# Altium PCB PCB_Layout_1.PcbDoc (part 1 of 3) (continued)
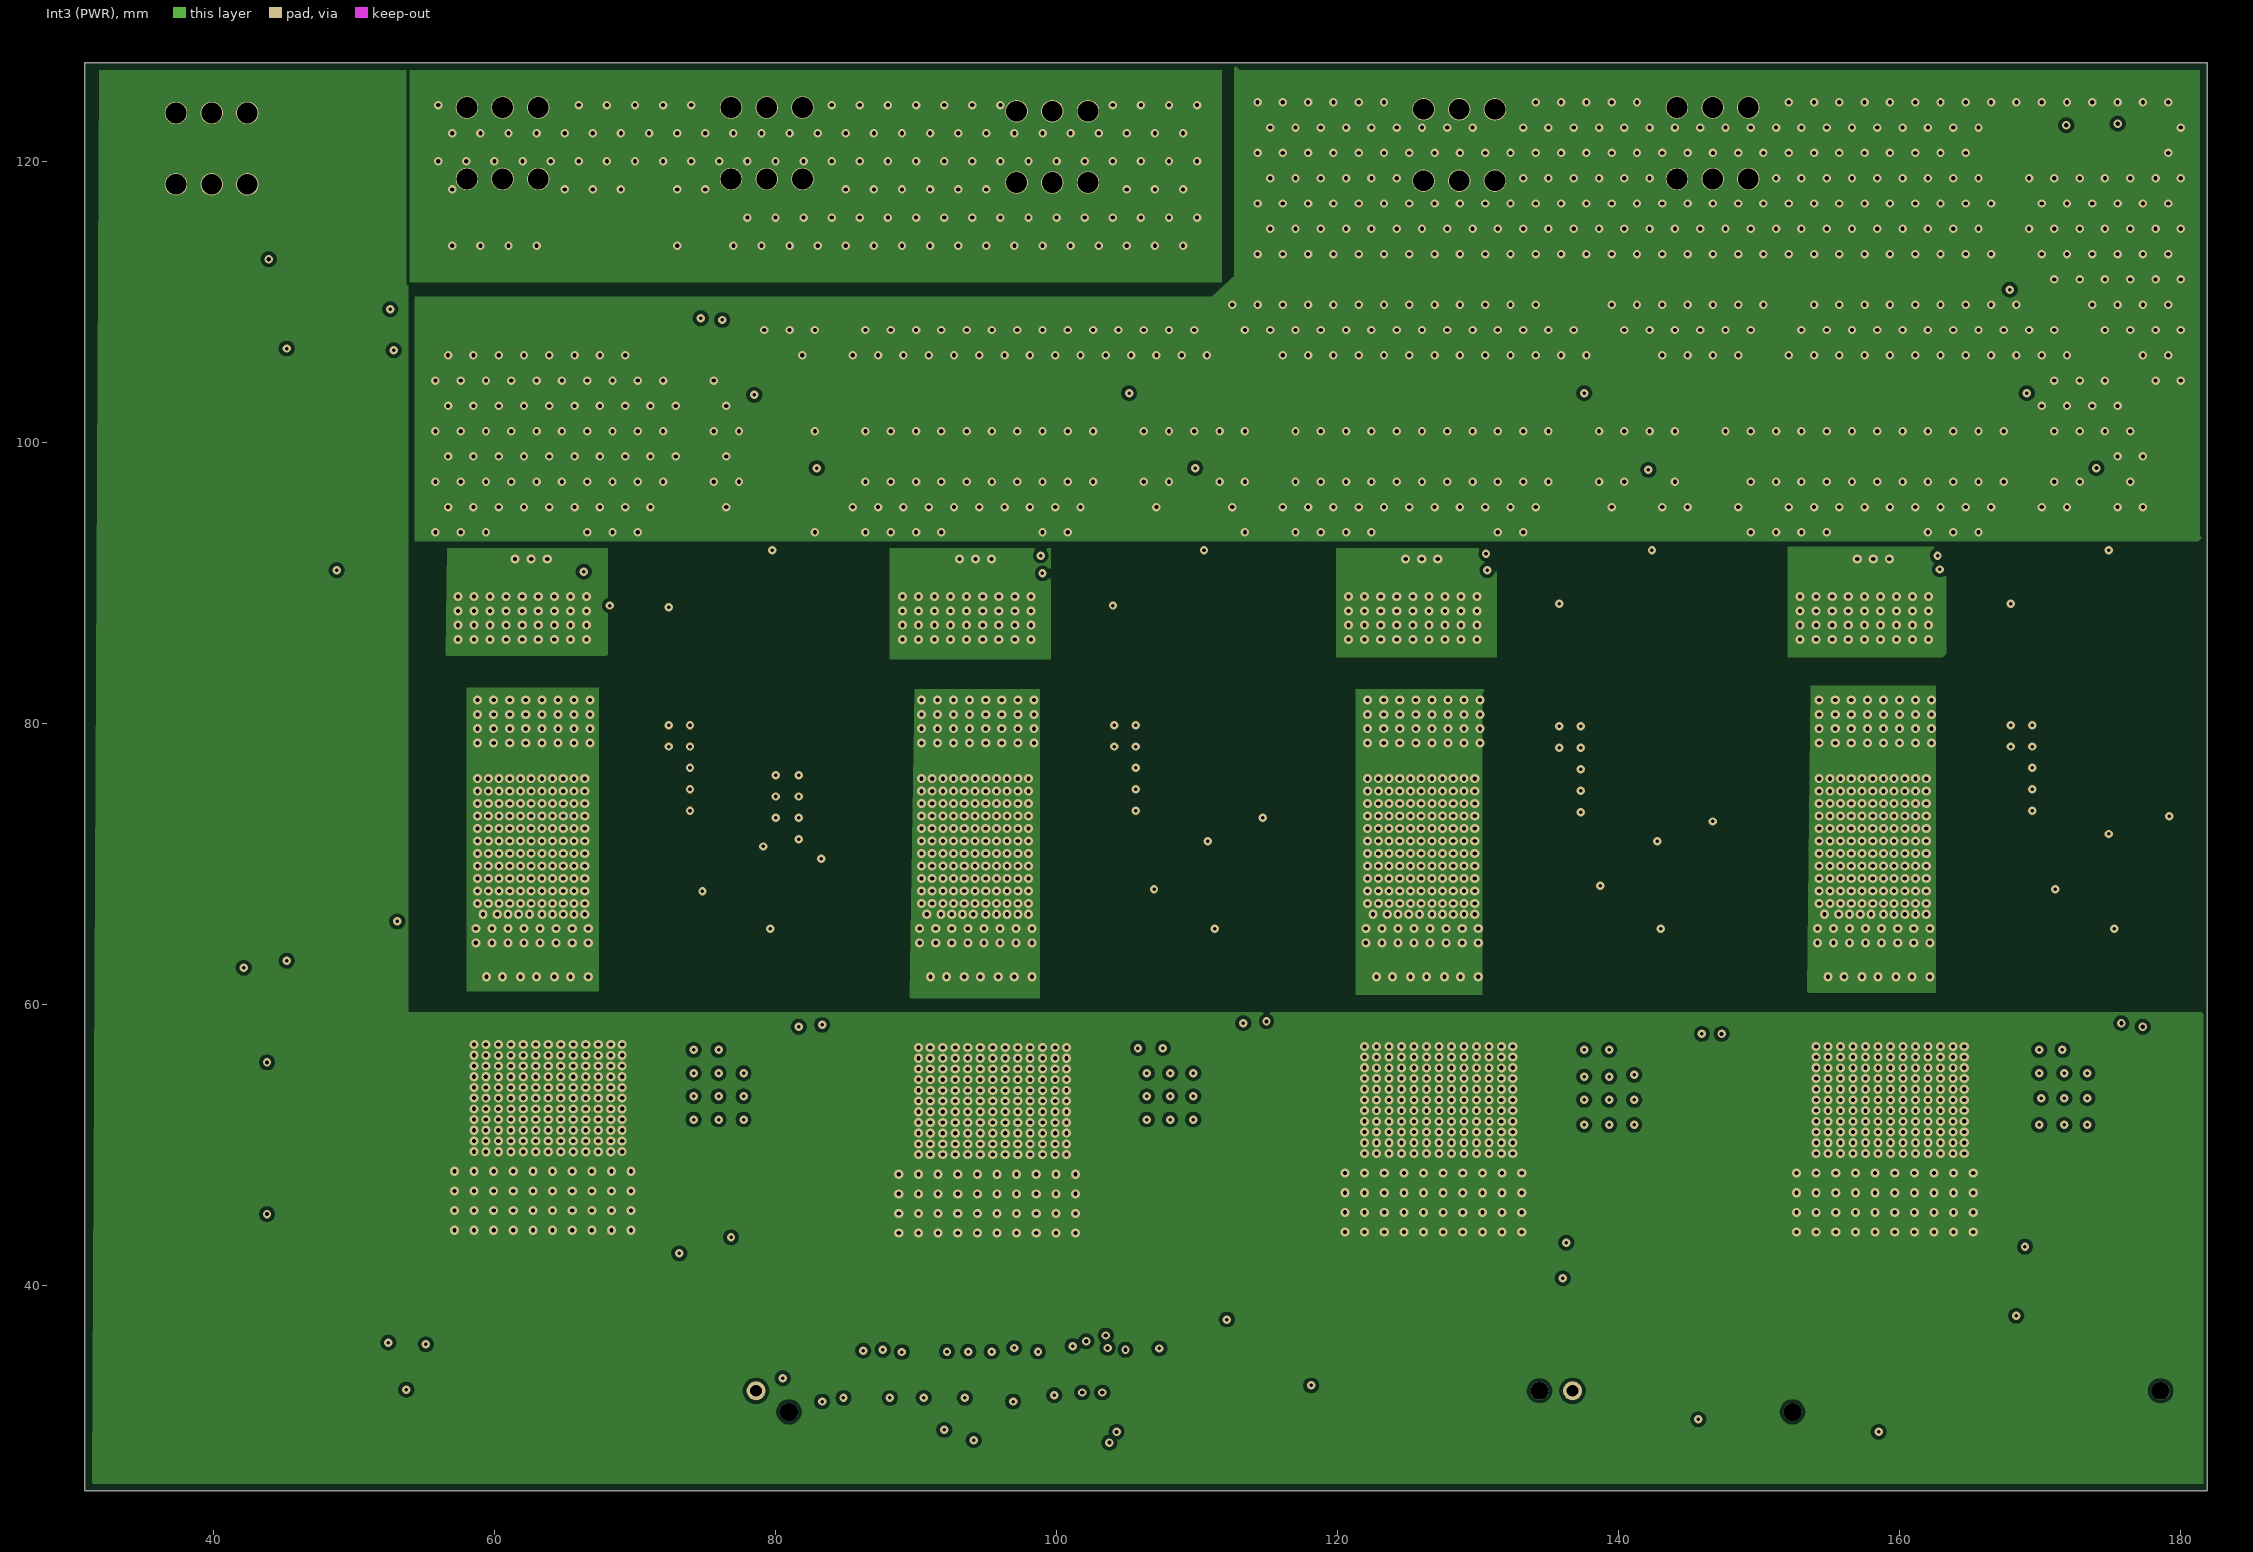
[diagram p4: Int3 (PWR)]
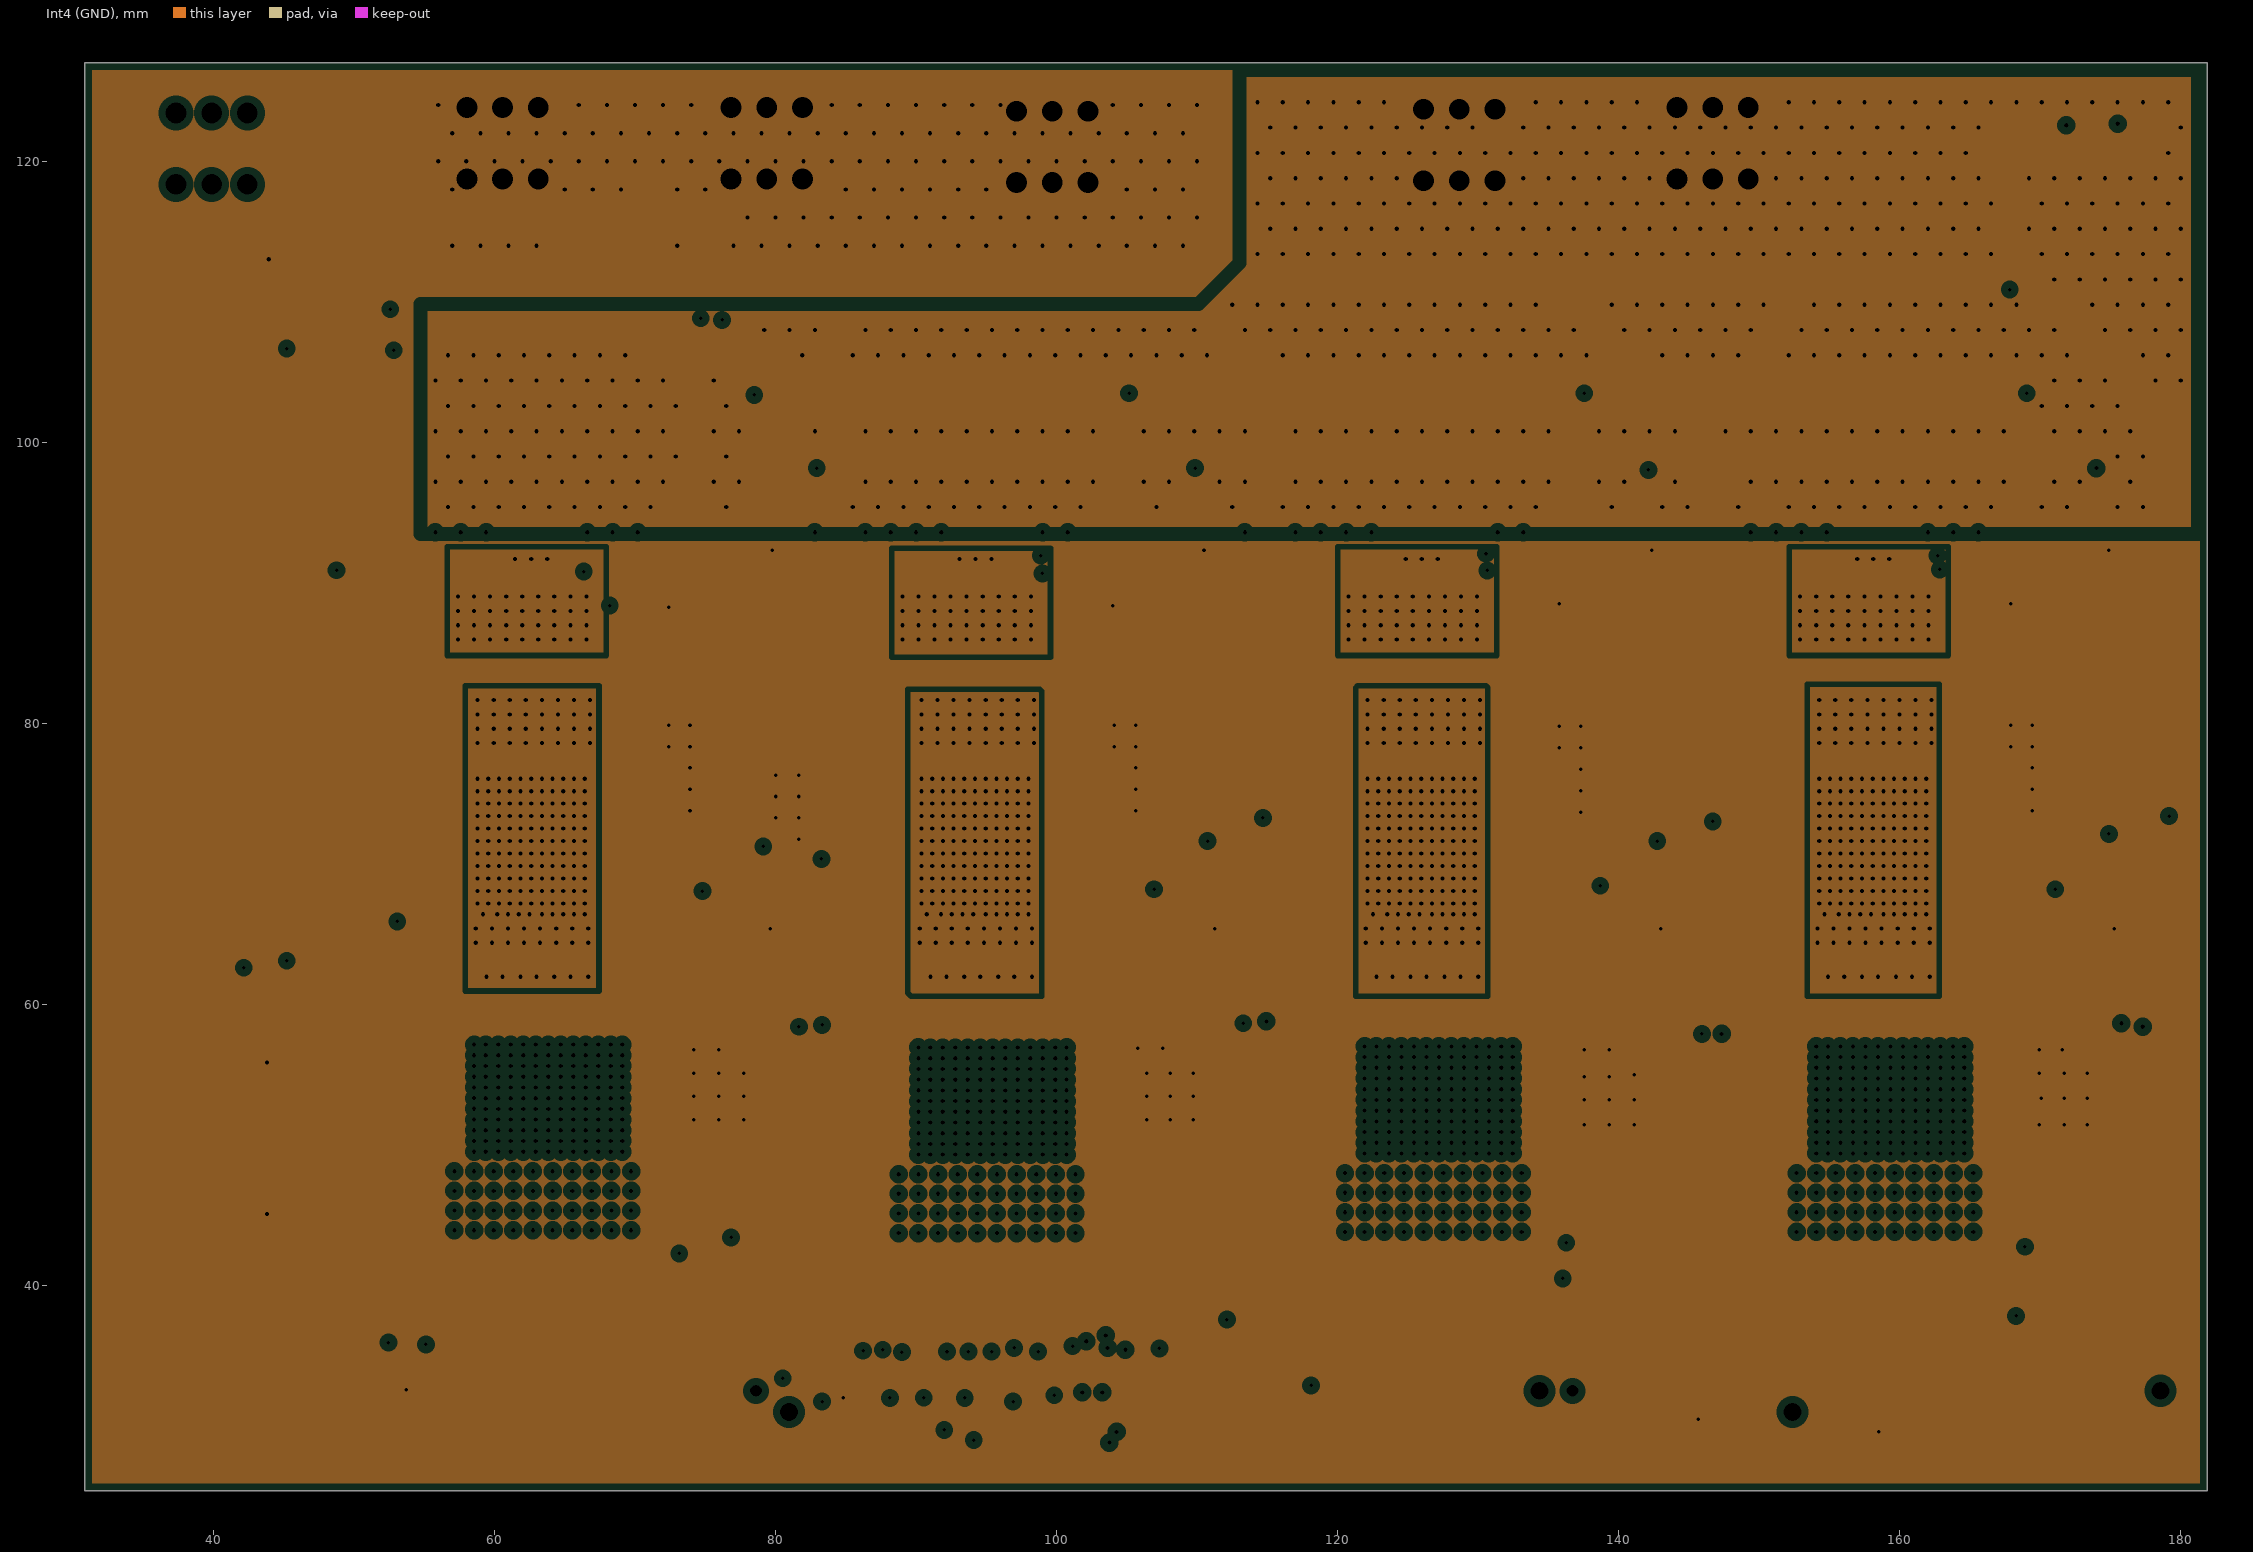
[diagram p5: Int4 (GND), clearances drawn from the general rule]
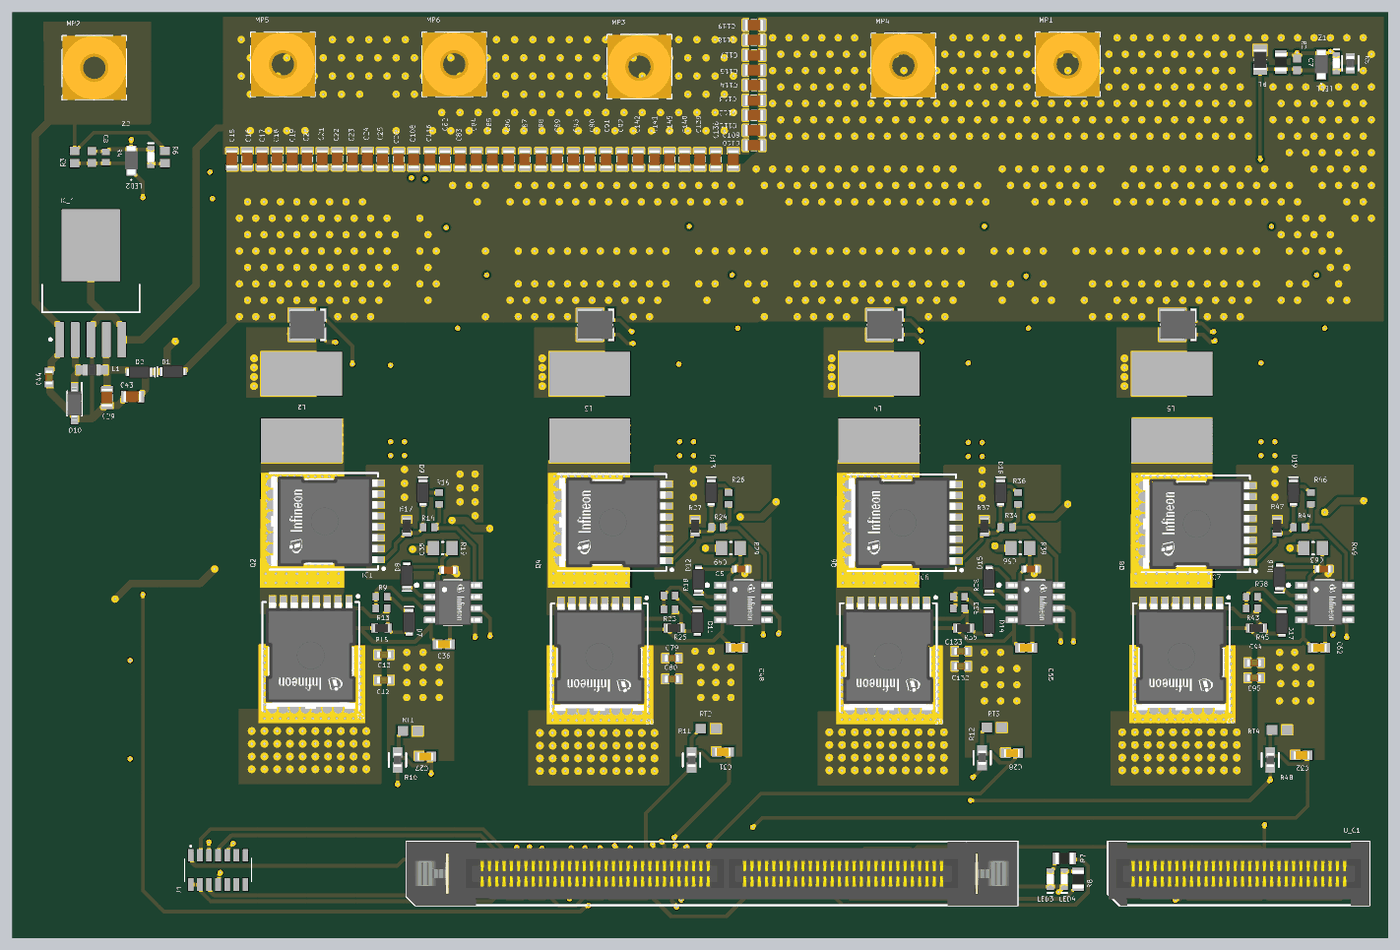
[diagram p8: 3D render of the assembled board from above, using the file's embedded part models]
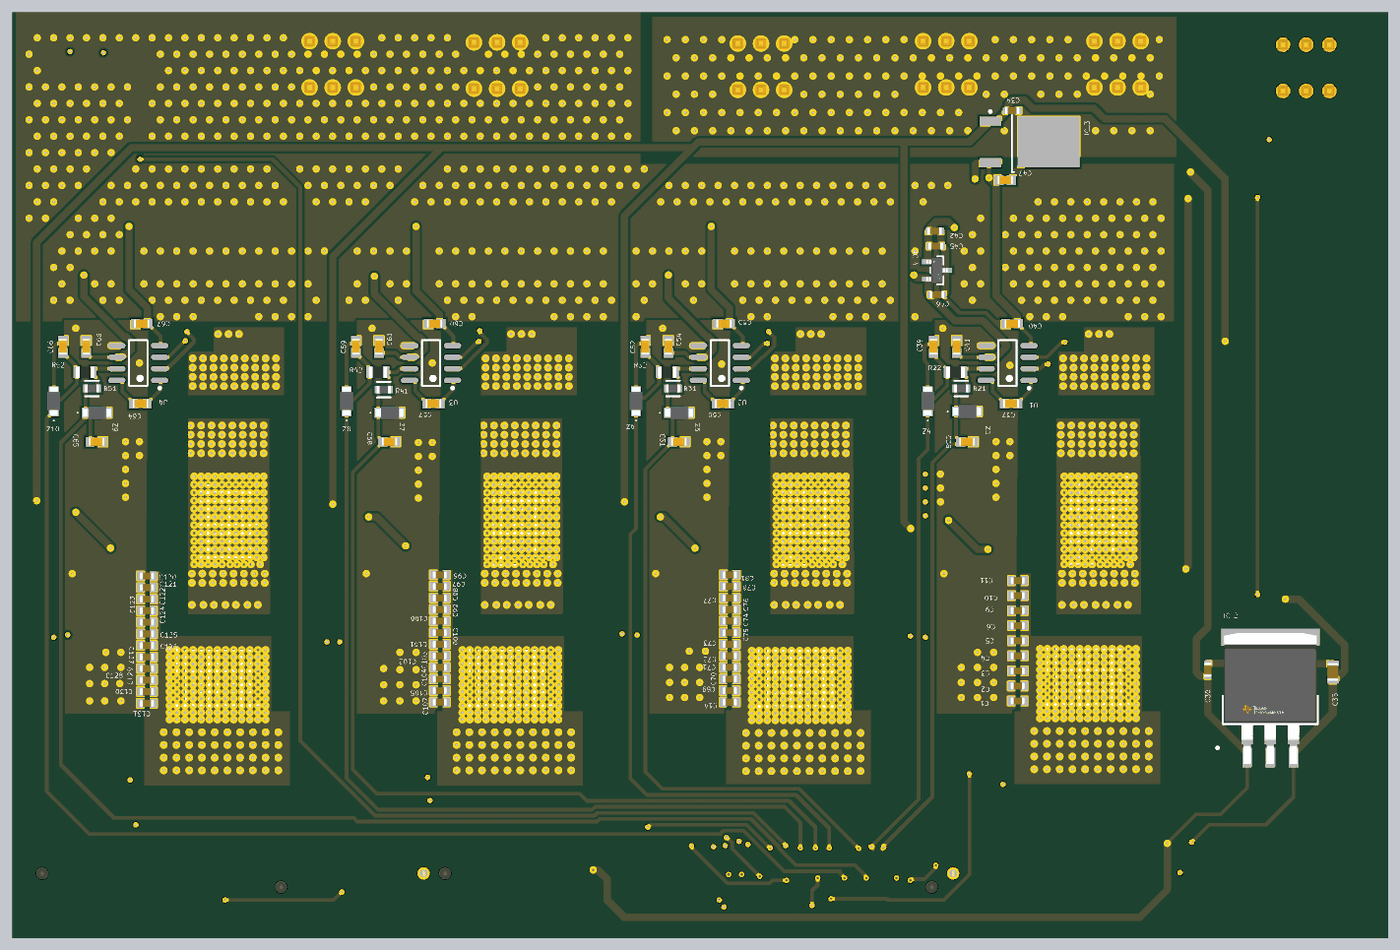
[diagram p9: 3D render of the assembled board from below, using the file's embedded part models]

## Layer stack, top to bottom
Top Solder: solder mask 0.0254, SM-001, Dk 4
Top Layer: signal copper 0.035
Dielectric 1: prepreg 0.0711, PP-006, Dk 4.1
Dielectric 2: prepreg 0.0711, PP-006, Dk 4.1
Int1 (GND): plane copper 0.105, net (Multiple Nets)
Dielectric 3: core 0.4572, Core-035, Dk 4.7
Int2 (PWR): signal copper 0.105
Dielectric 4: prepreg 0.0711, PP-006, Dk 4.1
Dielectric 5: prepreg 0.0711, PP-006, Dk 4.1
Int3 (PWR): signal copper 0.105
Dielectric 6: core 0.4572, Core-035, Dk 4.7
Int4 (GND): plane copper 0.105, net (Multiple Nets)
Dielectric 7: prepreg 0.0711, PP-006, Dk 4.1
Dielectric 8: prepreg 0.0711, PP-006, Dk 4.1
Bottom Layer: signal copper 0.035
Bottom Solder: solder mask 0.0254, SM-001, Dk 4

## Board outline
30.861,25.4 181.864,25.4 181.864,127 30.861,127

## Design rules (kind name [scope] priority, off if disabled: settings)
Clearance [All] p1: gap=0.254 ignorepadtopadclearanceinfootprint=FALSE except(0: Arc-Hole Track-Hole SMDPad-Hole THPad-Hole Via-Hole Fill-Hole Poly-Hole Region-Hole Text-Hole)
HoleSize [All] p1: absolutevalues=TRUE maxlimit=2.54 minlimit=0.155 maxpercent=80.000 minpercent=20.000
HoleToHoleClearance [All] p1: gap=0.3 allowstackedmicrovias=TRUE
MinimumSolderMaskSliver [All] p1: minsoldermaskwidth=0.05
PlaneClearance [All] p1: clearance=0.508
PlaneConnect [All] p1: planeconnectstyle=Direct reliefexpansion=0.508 reliefentries=4 reliefconductorwidth=0.254 reliefairgap=0.254
PolygonConnect Test_Neck [All] p1: connectstyle=Direct reliefconductorwidth=10 reliefentries=4 polygonreliefangle="90 Angle" airgapwidth=0.254
RoutingVias [All] p1: holewidth=0.25 width=0.6 viastyle="Through Hole" minholewidth=0.25 minwidth=0.6 maxholewidth=0.25 maxwidth=0.6
SilkToSilkClearance [All] p1: silktosilkclearance=0.1
SilkToSolderMaskClearance [IsPad] p1: minsilkscreentomaskgap=0.05 clearancetoexposedcopper=TRUE
SolderMaskExpansion [All] p1: expansion=0.102 istentingtop=FALSE
UnRoutedNet [All] p1: checkbadconnections=TRUE
Width [All] p1: maxlimit=10 minlimit=0.254 preferedwidth=0.4 toplayer_minwidth=0.4 midlayer1_prefwidth=0.254 midlayer2_prefwidth=0.254 bottomlayer_minwidth=0.4 minimp=50.000000 maximp=50.000000 favimp=50.000000
22 further rules are at their usual default settings.

## Classes and differential pairs
component class U_Rail_4: C62 C63 C64 C65 C66 C67 C68 C120 C121 C122 C123 C124 C125 C126 C127 C128 C129 C130 C131 C132 C133 C138 C139 C140 C141 C142 C145 D17 D18 D19 IC7 L5 Q7 Q8 R38 R43 R44 R45 R46 R47 R49 R50 R51 R52 U4 Z9 Z10
component class U_Rail_3: C55 C56 C57 C58 C59 C60 C61 C94 C95 C96 C97 C98 C99 C100 C101 C102 C103 C104 C105 C106 C107 C108 C109 C110 C111 C112 C113 C114 C115 C116 C117 C118 C119 D14 D15 D16 IC6 L4 Q5 Q6 R28 R33 R34 R35 R36 R37 R39 R40 R41 R42 U3 Z7 Z8
component class U_Rail_2: C14 C48 C49 C50 C51 C52 C53 C54 C69 C70 C71 C72 C73 C74 C75 C76 C77 C78 C79 C80 C81 C82 C83 C84 C85 C86 C87 C88 C89 C90 C91 C92 C93 D11 D12 D13 IC5 L3 Q3 Q4 R18 R23 R24 R25 R26 R27 R29 R30 R31 R32 U2 Z5 Z6
component class U_Rail_1: C35 C36 C37 C38 C39 C40 C41 D7 D8 D9 IC1 L2 Q1 Q2 R9 R13 R14 R15 R16 R17 R19 R21 R22 U1 Z3 Z4
component class U_PowerSupply: C29 C30 C33 C34 C42 C43 C44 C45 C46 C47 D1 D2 D10 IC_1 IC_2 IC_4 L1
component class MainCircuit: *A1 *B1 *C1 *D1 *E1 *F1 C1 C2 C3 C4 C5 C6 C7 C8 C9 C10 C11 C12 C13 C15 C16 C17 C18 C19 C20 C21 C22 C23 C24 C25 C26 C27 C28 C31 C32 J1 LED1 LED2 LED3 LED4 MP1 MP2 MP3 MP4 MP5 MP6 R1 R2 R3 R4 R5 R6 R7 R8 R10 R11 R12 R48 RT1 RT2 RT3 RT4 U_C1 Z1 Z2

## Components (designator, comment, footprint, x,y, rotation, side; value= is the part's Value field where it differs from the comment)
C1 "0.1uF" CAPC1608X90N 71.535,51.435 r0 bottom
C2 "0.1uF" CAPC1608X90N 71.535,53.086 r0 bottom
C3 "0.1uF" CAPC1608X90N 71.523,54.737 r0 bottom
C4 "0.1uF" CAPC1608X90N 71.523,56.388 r0 bottom
C5 "0.1uF" CAPC1608X90N 71.523,58.039 r0 bottom
C6 "0.1uF" CAPC1608X90N 71.523,59.69 r0 bottom
C7 "06035C102KAT2A" CAPC1608X90X35LL15T15 171.842,121.284 r270 top
C8 "06035C102KAT2A" CAPC1608X90X35LL15T15 39.624,111.125 r270 top
C9 "0.1uF" CAPC1608X90N 71.523,61.341 r0 bottom
C10 "0.1uF" CAPC1608X90N 71.523,62.992 r0 bottom
C11 "0.1uF" CAPC1608X90N 71.523,64.643 r0 bottom
C12 "0.1uF" CAPC1608X90N 71.664,53.721 r0 top
C13 "0.1uF" CAPC1608X90N 71.664,56.515 r0 top
C14 "0.1uF" CAPC1608X90N 103.124,51.308 r0 bottom
C15 "Capacitor 10µF +/-20% 25V 0805" CAPC0805(2012)145_L 54.979,110.893 r90 top value=10µF
C16 "Capacitor 10µF +/-20% 25V 0805" CAPC0805(2012)145_L 56.642,110.905 r90 top value=10µF
C17 "Capacitor 10µF +/-20% 25V 0805" CAPC0805(2012)145_L 58.293,110.905 r90 top value=10µF
C18 "Capacitor 10µF +/-20% 25V 0805" CAPC0805(2012)145_L 59.944,110.905 r90 top value=10µF
C19 "Capacitor 10µF +/-20% 25V 0805" CAPC0805(2012)145_L 61.595,110.905 r90 top value=10µF
C20 "Capacitor 10µF +/-20% 25V 0805" CAPC0805(2012)145_L 63.246,110.905 r90 top value=10µF
C21 "Capacitor 10µF +/-20% 25V 0805" CAPC0805(2012)145_L 64.897,110.905 r90 top value=10µF
C22 "Capacitor 10µF +/-20% 25V 0805" CAPC0805(2012)145_L 66.548,110.905 r90 top value=10µF
C23 "Capacitor 10µF +/-20% 25V 0805" CAPC0805(2012)145_L 68.199,110.905 r90 top value=10µF
C24 "Capacitor 10µF +/-20% 25V 0805" CAPC0805(2012)145_L 69.85,110.905 r90 top value=10µF
C25 "Capacitor 10µF +/-20% 25V 0805" CAPC0805(2012)145_L 71.501,110.871 r90 top value=10µF
C26 "Capacitor 10µF +/-20% 25V 0805" CAPC0805(2012)145_L 73.279,110.871 r90 top value=10µF
C27 "Capacitor 100 nF +/-10% 50 V 0603" CAPC1608X90X40ML10T20 76.2,45.339 r180 top value=100nF
C28 "Capacitor 100 nF +/-10% 50 V 0603" CAPC1608X90X40ML10T20 140.549,45.72 r180 top value=100nF
C29 "Capacitor 10µF +/-20% 25V 0805" CAPC0805(2012)145_L 41.275,84.709 r270 top value=10µF
C30 "Capacitor 1µF +/-0.1% 25V 0603" CAPC0603(1608)100_L 50.673,54.864 r90 bottom value=1µF
C31 "Capacitor 100 nF +/-10% 50 V 0603" CAPC1608X90X40ML10T20 108.839,45.847 r180 top value=100nF
C32 "Capacitor 100 nF +/-10% 50 V 0603" CAPC1608X90X40ML10T20 172.339,45.466 r180 top value=100nF
C33 "Capacitor 100µF +/-20% 6.3V 0805" CAPC0805(2012)145_L 36.957,54.621 r90 bottom value=100µF
C34 "Capacitor 1µF +/-0.1% 25V 0603" CAPC0603(1608)100_L 72.136,116.205 r180 bottom value=1µF
C35 "Capacitor 1µF +/-0.1% 25V 0603" CAPC0603(1608)100_L 78.74,65.786 r180 top value=1µF
C36 "Capacitor 100 nF +/-10% 50 V 0603" CAPC1608X90X40ML10T20 78.232,57.658 r0 top value=100nF
C37 "Capacitor 10 pF +/- 0.25 pF 50 V 0603" CAPC1608X87X35ML15T15 72.263,84.074 r0 bottom value=10pF
C38 "Capacitor 100 nF +/-10% 50 V 0603" CAPC1608X90X40ML10T20 77.089,79.883 r180 bottom value=100nF
C39 "Capacitor 100 nF +/-10% 50 V 0603" CAPC1608X90X40ML10T20 80.772,90.297 r90 bottom value=100nF
C40 "Capacitor 100 nF +/-10% 50 V 0603" CAPC1608X90X40ML10T20 72.136,92.837 r0 bottom value=100nF
C41 "Capacitor 100 nF +/-10% 50 V 0603" CAPC1608X90X40ML10T20 78.232,90.297 r90 bottom value=100nF
C42 "Capacitor 1µF +/-0.1% 25V 0603" CAPC0603(1608)100_L 80.518,101.341 r180 bottom value=1µF
C43 "Capacitor 10µF +/-20% 25V 0805" CAPC0805(2012)145_L 44.069,84.836 r180 top value=10µF
C44 "0.1uF" CAPC1608X90N 34.925,86.931 r270 top
C45 "Capacitor 1µF +/-0.1% 25V 0603" CAPC0603(1608)100_L 80.645,102.992 r180 bottom value=1µF
C46 "Capacitor 1µF +/-0.1% 25V 0603" CAPC0603(1608)100_L 80.391,96.007 r180 bottom value=1µF
C47 "Capacitor 100 nF +/-10% 50 V 0603" CAPC1608X90X40ML10T20 72.898,108.585 r180 bottom value=100nF
C48 "Capacitor 100 nF +/-10% 50 V 0603" CAPC1608X90X40ML10T20 110.363,57.277 r0 top value=100nF
C49 "Capacitor 1µF +/-0.1% 25V 0603" CAPC0603(1608)100_L 110.871,65.913 r180 top value=1µF
C50 "Capacitor 10 pF +/- 0.25 pF 50 V 0603" CAPC1608X87X35ML15T15 103.886,84.074 r0 bottom value=10pF
C51 "Capacitor 100 nF +/-10% 50 V 0603" CAPC1608X90X40ML10T20 108.712,79.883 r180 bottom value=100nF
C52 "Capacitor 100 nF +/-10% 50 V 0603" CAPC1608X90X40ML10T20 112.395,90.297 r90 bottom value=100nF
C53 "Capacitor 100 nF +/-10% 50 V 0603" CAPC1608X90X40ML10T20 103.759,92.837 r0 bottom value=100nF
C54 "Capacitor 100 nF +/-10% 50 V 0603" CAPC1608X90X40ML10T20 109.855,90.297 r90 bottom value=100nF
C55 "Capacitor 100 nF +/-10% 50 V 0603" CAPC1608X90X40ML10T20 142.113,57.277 r0 top value=100nF
C56 "Capacitor 1µF +/-0.1% 25V 0603" CAPC0603(1608)100_L 142.621,65.913 r180 top value=1µF
C57 "Capacitor 10 pF +/- 0.25 pF 50 V 0603" CAPC1608X87X35ML15T15 135.636,84.074 r0 bottom value=10pF
C58 "Capacitor 100 nF +/-10% 50 V 0603" CAPC1608X90X40ML10T20 140.462,79.883 r180 bottom value=100nF
C59 "Capacitor 100 nF +/-10% 50 V 0603" CAPC1608X90X40ML10T20 144.145,90.297 r90 bottom value=100nF
C60 "Capacitor 100 nF +/-10% 50 V 0603" CAPC1608X90X40ML10T20 135.509,92.837 r0 bottom value=100nF
C61 "Capacitor 100 nF +/-10% 50 V 0603" CAPC1608X90X40ML10T20 141.605,90.297 r90 bottom value=100nF
C62 "Capacitor 100 nF +/-10% 50 V 0603" CAPC1608X90X40ML10T20 174.244,57.277 r0 top value=100nF
C63 "Capacitor 1µF +/-0.1% 25V 0603" CAPC0603(1608)100_L 174.752,65.913 r180 top value=1µF
C64 "Capacitor 10 pF +/- 0.25 pF 50 V 0603" CAPC1608X87X35ML15T15 167.767,84.074 r0 bottom value=10pF
C65 "Capacitor 100 nF +/-10% 50 V 0603" CAPC1608X90X40ML10T20 172.593,79.883 r180 bottom value=100nF
C66 "Capacitor 100 nF +/-10% 50 V 0603" CAPC1608X90X40ML10T20 176.276,90.297 r90 bottom value=100nF
C67 "Capacitor 100 nF +/-10% 50 V 0603" CAPC1608X90X40ML10T20 167.64,92.837 r0 bottom value=100nF
C68 "Capacitor 100 nF +/-10% 50 V 0603" CAPC1608X90X40ML10T20 173.736,90.297 r90 bottom value=100nF
C69 "0.1uF" CAPC1608X90N 103.124,52.578 r0 bottom
C70 "0.1uF" CAPC1608X90N 103.124,53.848 r0 bottom
C71 "0.1uF" CAPC1608X90N 103.124,55.118 r0 bottom
C72 "0.1uF" CAPC1608X90N 103.124,56.388 r0 bottom
C73 "0.1uF" CAPC1608X90N 103.124,57.658 r0 bottom
C74 "0.1uF" CAPC1608X90N 103.124,60.198 r0 bottom
C75 "0.1uF" CAPC1608X90N 103.124,58.928 r0 bottom
C76 "0.1uF" CAPC1608X90N 103.124,61.468 r0 bottom
C77 "0.1uF" CAPC1608X90N 103.124,62.738 r0 bottom
C78 "0.1uF" CAPC1608X90N 103.124,64.008 r0 bottom
C79 "0.1uF" CAPC1608X90N 103.251,56.134 r0 top
C80 "0.1uF" CAPC1608X90N 103.251,53.848 r0 top
C81 "0.1uF" CAPC1608X90N 103.124,65.278 r0 bottom
C82 "Capacitor 10µF +/-20% 25V 0805" CAPC0805(2012)145_L 78.359,110.871 r90 top value=10µF
C83 "Capacitor 10µF +/-20% 25V 0805" CAPC0805(2012)145_L 80.01,110.871 r90 top value=10µF
C84 "Capacitor 10µF +/-20% 25V 0805" CAPC0805(2012)145_L 81.788,110.871 r90 top value=10µF
C85 "Capacitor 10µF +/-20% 25V 0805" CAPC0805(2012)145_L 83.566,110.871 r90 top value=10µF
C86 "Capacitor 10µF +/-20% 25V 0805" CAPC0805(2012)145_L 85.344,110.871 r90 top value=10µF
C87 "Capacitor 10µF +/-20% 25V 0805" CAPC0805(2012)145_L 87.122,110.871 r90 top value=10µF
C88 "Capacitor 10µF +/-20% 25V 0805" CAPC0805(2012)145_L 88.9,110.871 r90 top value=10µF
C89 "Capacitor 10µF +/-20% 25V 0805" CAPC0805(2012)145_L 90.678,110.871 r90 top value=10µF
C90 "Capacitor 10µF +/-20% 25V 0805" CAPC0805(2012)145_L 94.234,110.871 r90 top value=10µF
C91 "Capacitor 10µF +/-20% 25V 0805" CAPC0805(2012)145_L 96.012,110.871 r90 top value=10µF
C92 "Capacitor 10µF +/-20% 25V 0805" CAPC0805(2012)145_L 97.79,110.871 r90 top value=10µF
C93 "Capacitor 10µF +/-20% 25V 0805" CAPC0805(2012)145_L 92.456,110.871 r90 top value=10µF
C94 "0.1uF" CAPC1608X90N 167.132,55.626 r0 top
C95 "0.1uF" CAPC1608X90N 167.132,53.975 r0 top
C96 "0.1uF" CAPC1608X90N 134.936,65.278 r0 bottom
C97 "0.1uF" CAPC1608X90N 134.936,64.008 r0 bottom
C98 "0.1uF" CAPC1608X90N 134.936,62.738 r0 bottom
C99 "0.1uF" CAPC1608X90N 134.936,61.468 r0 bottom
C100 "0.1uF" CAPC1608X90N 134.936,58.928 r0 bottom
C101 "0.1uF" CAPC1608X90N 134.936,57.658 r0 bottom
C102 "0.1uF" CAPC1608X90N 134.936,56.388 r0 bottom
C103 "0.1uF" CAPC1608X90N 134.936,55.118 r0 bottom
C104 "0.1uF" CAPC1608X90N 134.936,53.848 r0 bottom
C105 "0.1uF" CAPC1608X90N 134.936,52.578 r0 bottom